# Altium PCB TestMod_SEAx_Baseboard.PcbDoc (part 1 of 2)
Units mil, origin at the board's own origin, x right, y up, seen from the top; angles counter-clockwise.
Board outline 2042.28 x 3149.61 mil, 4 copper layers (Top Layer, GND, Power, Bottom Layer), stack 57.48 mil thick; 38 components, 94 nets, 556 pads, 493 vias.
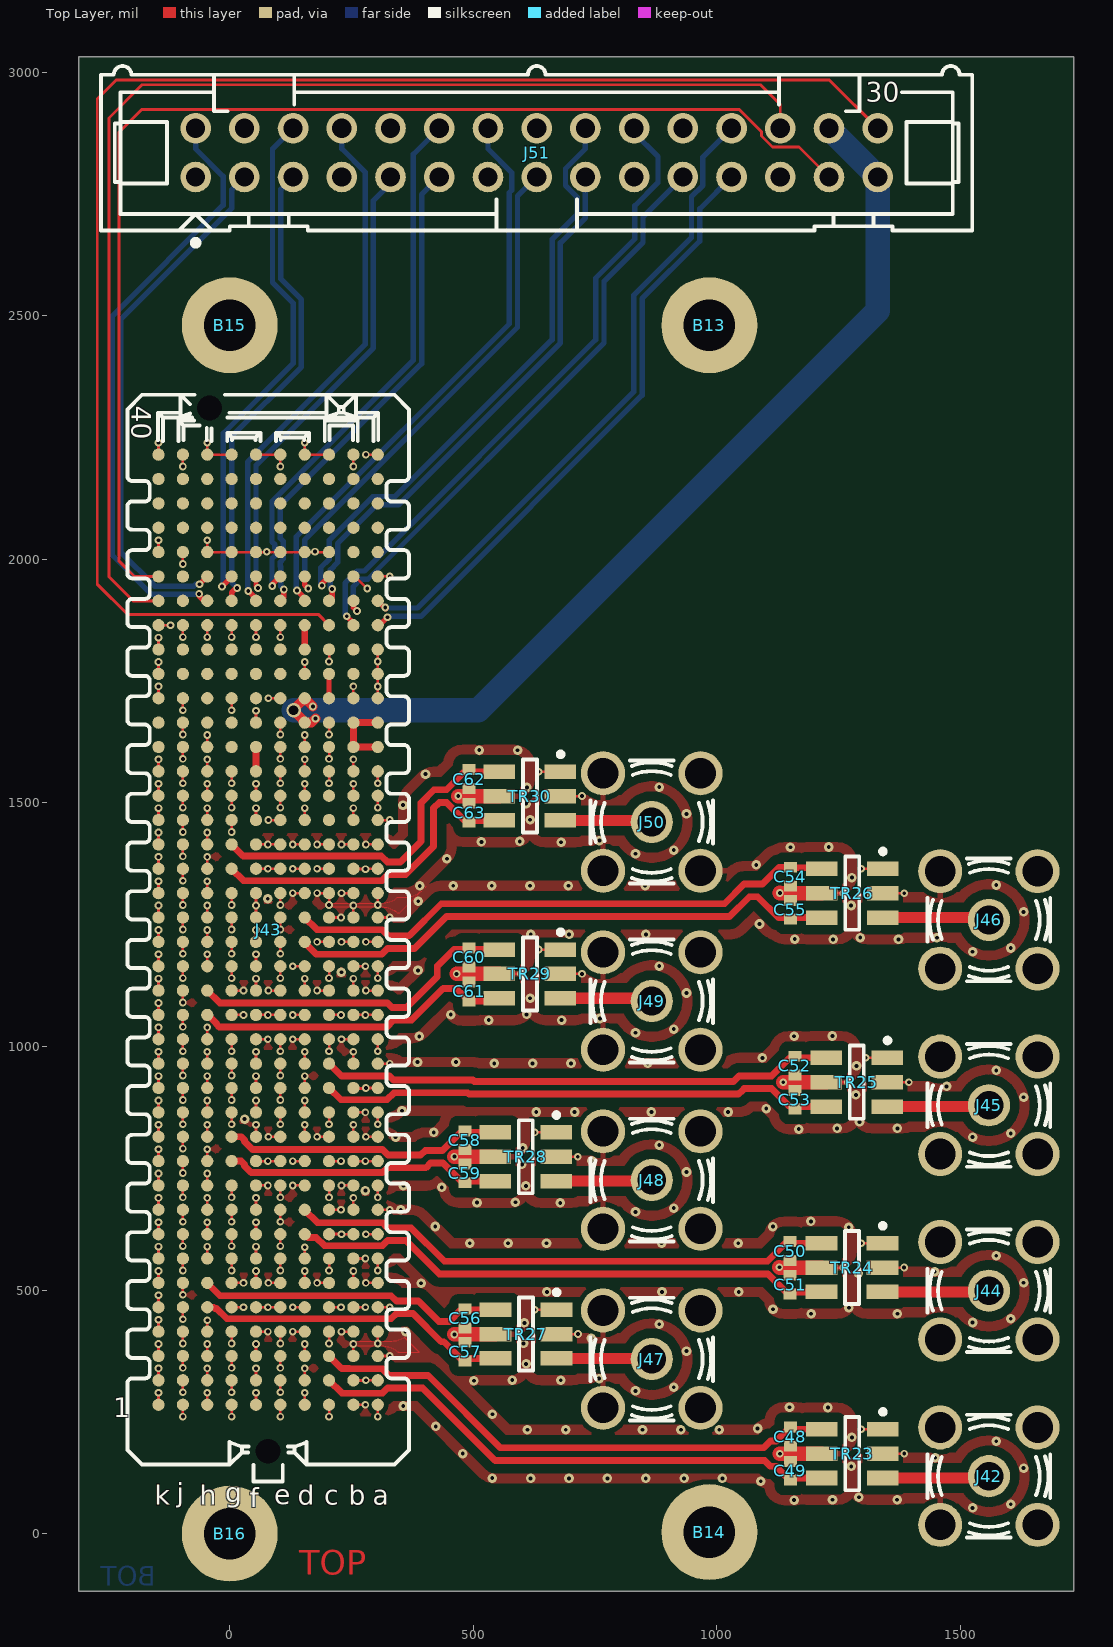
[diagram p0: Top Layer view]
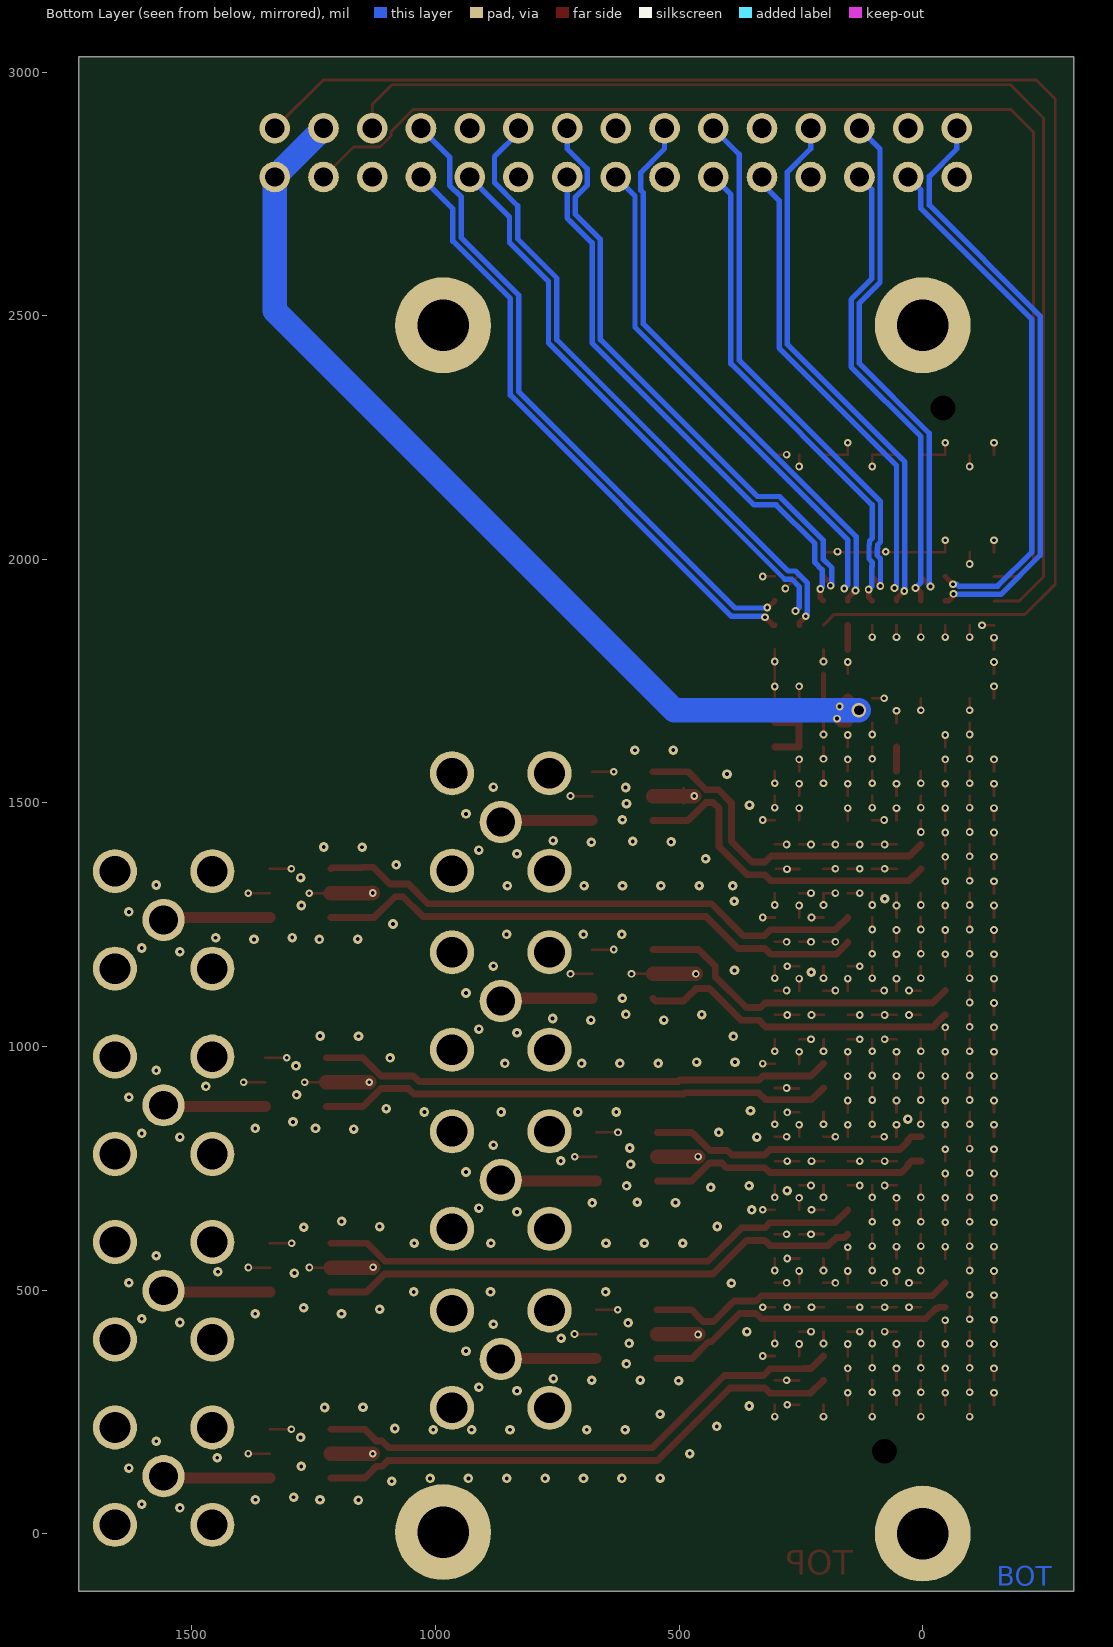
[diagram p1: Bottom Layer view, seen from below]
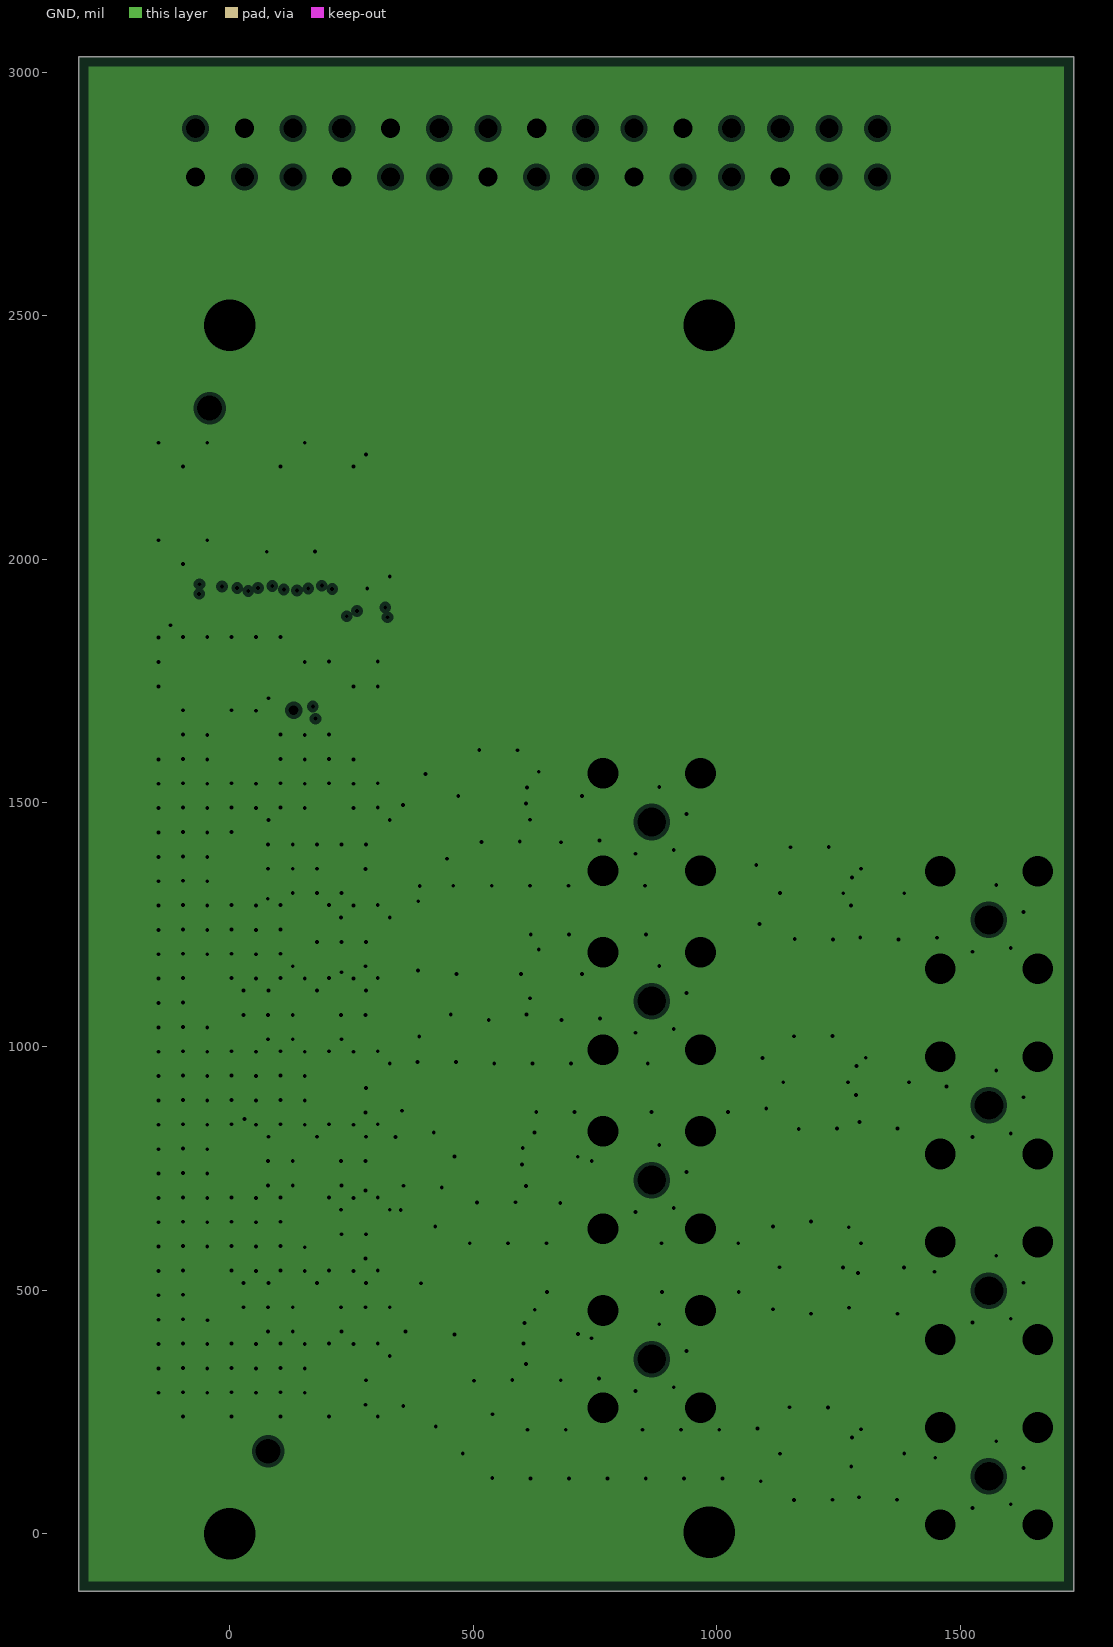
[diagram p2: GND, clearances drawn from the general rule]
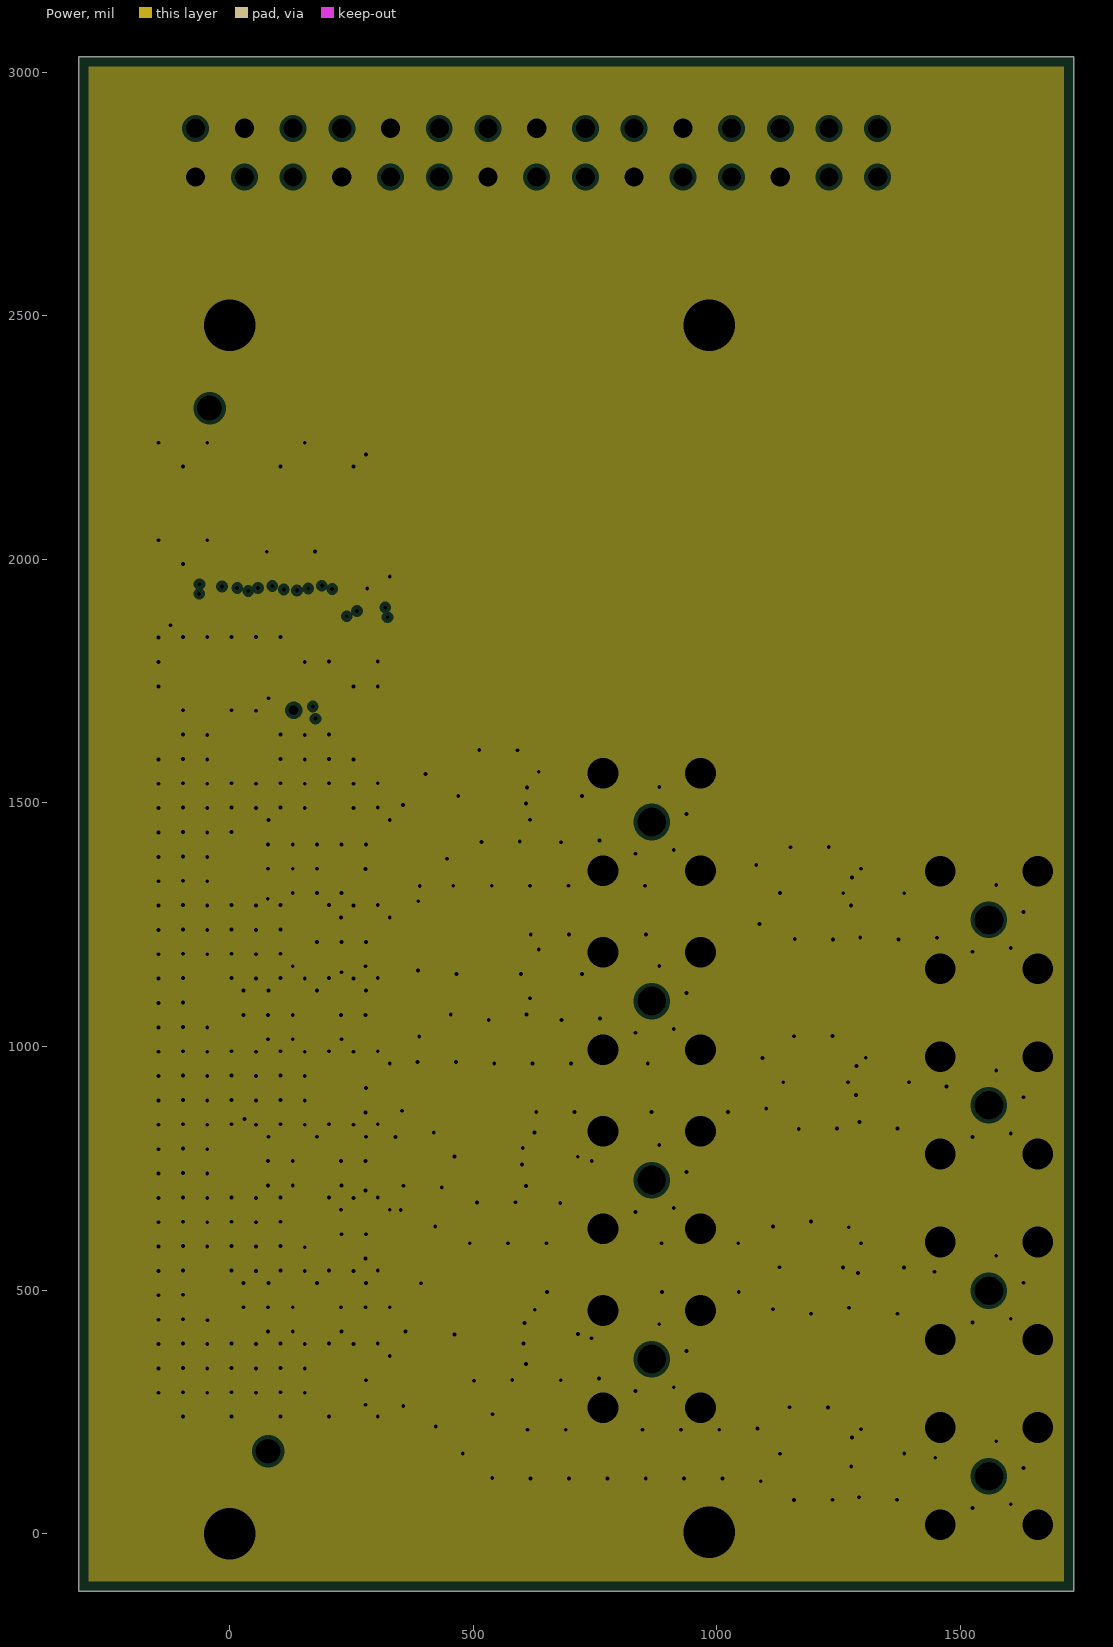
[diagram p3: Power, clearances drawn from the general rule]
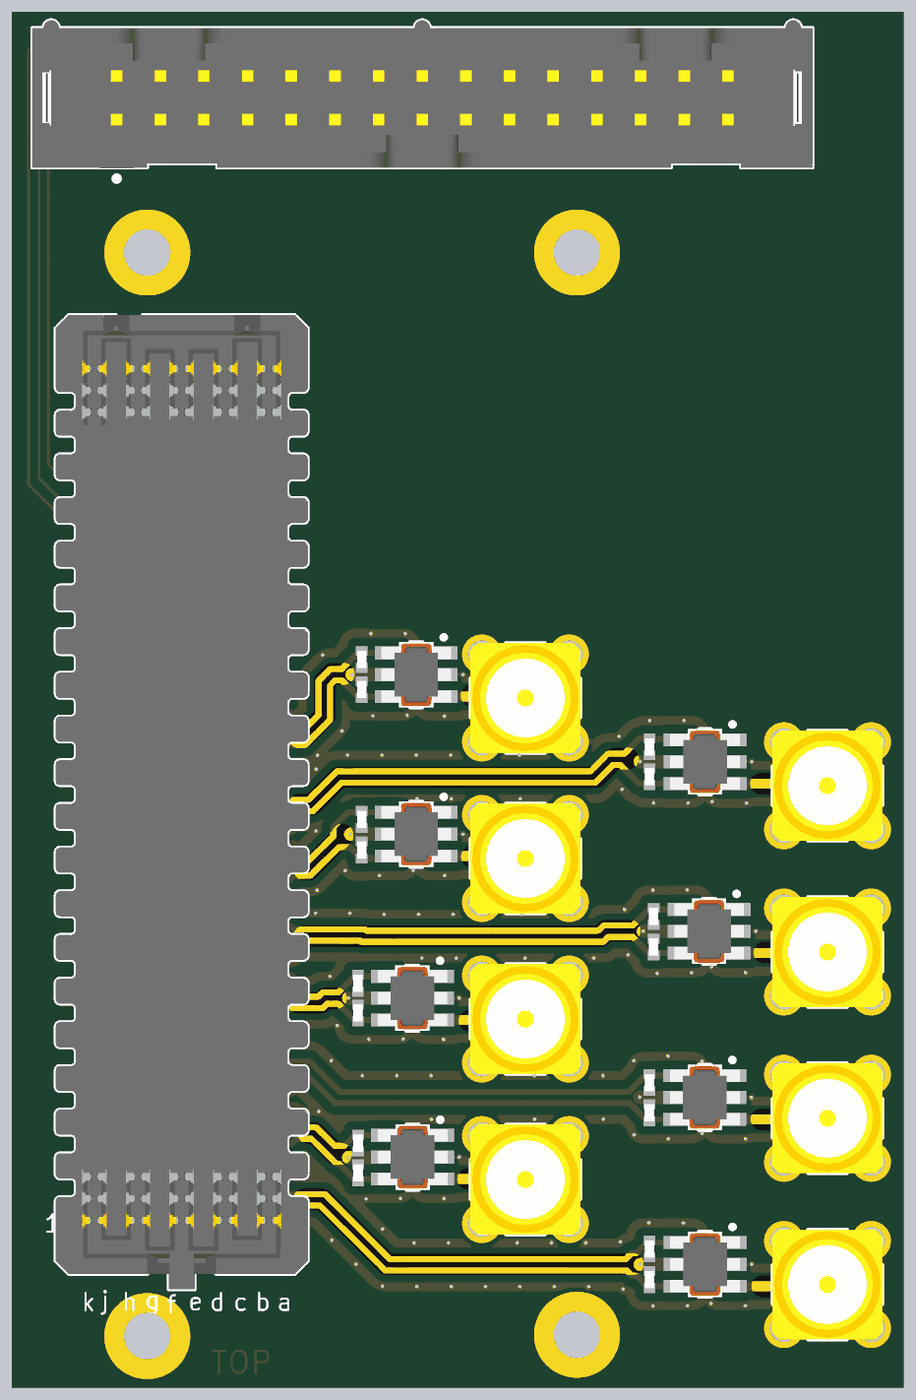
[diagram p5: 3D render of the assembled board from above, using the file's embedded part models]

## Layer stack, top to bottom
Top Solder: solder mask 3, Solder Resist, Dk 3.5
Top Layer: signal copper 1.378
Dielectric1: prepreg 14.1732, FR-4, Dk 4.8
GND: plane copper 1.378, net GND
Dielectric4: core 23.622, FR-4, Dk 4.8
Power: plane copper 1.378, net GND
Dielectric7: prepreg 14.1732, FR-4, Dk 4.2
Bottom Layer: signal copper 1.378
Bottom Solder: solder mask 3, Solder Resist, Dk 3.5

## Board outline
-310,-118.11 1732.28,-118.11 1732.28,3031.5 -310,3031.5

## Design rules (kind name [scope] priority, off if disabled: settings)
Clearance "Clearance_gnd l3" [(InNamedPolygon('gnd L3'))] p1: gap=15 ignorepadtopadclearanceinfootprint=FALSE except(0: Arc-Hole Track-Hole SMDPad-Hole THPad-Hole Via-Hole Fill-Hole Poly-Hole Region-Hole Text-Hole)
Clearance "Clearance_poly gnd" [(InNamedPolygon('Top Layer-No Net') AND InNet('GND'))] p2: gap=10 ignorepadtopadclearanceinfootprint=FALSE except(0: Arc-Hole Track-Hole SMDPad-Hole THPad-Hole Via-Hole Fill-Hole Poly-Hole Region-Hole Text-Hole)
Clearance Clearance_diff_pairs [(InDifferentialPairClass('All Differential Pairs')) vs (InDifferentialPairClass('All Differential Pairs'))] p3 off: gap=5 ignorepadtopadclearanceinfootprint=FALSE except(0: Arc-Hole Track-Hole SMDPad-Hole THPad-Hole Via-Hole Fill-Hole Poly-Hole Region-Hole Text-Hole)
Clearance [All] p4: gap=4 ignorepadtopadclearanceinfootprint=FALSE except(0: Arc-Hole Track-Hole SMDPad-Hole THPad-Hole Via-Hole Fill-Hole Poly-Hole Region-Hole Text-Hole)
ComponentClearance [All] p1: gap=0 collisioncheckmode=3 verticalgap=0 showdistances=FALSE
DiffPairsRouting "Schematic Differential Pairs Routing_32" [InNet('ADC0_IN_N')] p1: maxlimit=12 minlimit=12 mostfreqgap=12 toplayer_minwidth=14 toplayer_maxwidth=14 toplayer_prefwidth=14 bottomlayer_minwidth=14 bottomlayer_maxwidth=14 bottomlayer_prefwidth=14 maxuncoupledlength=500
DiffPairsRouting "Schematic Differential Pairs Routing_31" [InNet('ADC0_IN_P')] p2: maxlimit=12 minlimit=12 mostfreqgap=12 toplayer_minwidth=14 toplayer_maxwidth=14 toplayer_prefwidth=14 bottomlayer_minwidth=14 bottomlayer_maxwidth=14 bottomlayer_prefwidth=14 maxuncoupledlength=500
DiffPairsRouting "Schematic Differential Pairs Routing_30" [InNet('ADC1_IN_N')] p3: maxlimit=12 minlimit=12 mostfreqgap=12 toplayer_minwidth=14 toplayer_maxwidth=14 toplayer_prefwidth=14 bottomlayer_minwidth=14 bottomlayer_maxwidth=14 bottomlayer_prefwidth=14 maxuncoupledlength=500
DiffPairsRouting "Schematic Differential Pairs Routing_29" [InNet('ADC1_IN_P')] p4: maxlimit=12 minlimit=12 mostfreqgap=12 toplayer_minwidth=14 toplayer_maxwidth=14 toplayer_prefwidth=14 bottomlayer_minwidth=14 bottomlayer_maxwidth=14 bottomlayer_prefwidth=14 maxuncoupledlength=500
DiffPairsRouting "Schematic Differential Pairs Routing_28" [InNet('ADC2_IN_N')] p5: maxlimit=12 minlimit=12 mostfreqgap=12 toplayer_minwidth=14 toplayer_maxwidth=14 toplayer_prefwidth=14 bottomlayer_minwidth=14 bottomlayer_maxwidth=14 bottomlayer_prefwidth=14 maxuncoupledlength=500
DiffPairsRouting "Schematic Differential Pairs Routing_27" [InNet('ADC2_IN_P')] p6: maxlimit=12 minlimit=12 mostfreqgap=12 toplayer_minwidth=14 toplayer_maxwidth=14 toplayer_prefwidth=14 bottomlayer_minwidth=14 bottomlayer_maxwidth=14 bottomlayer_prefwidth=14 maxuncoupledlength=500
DiffPairsRouting "Schematic Differential Pairs Routing_26" [InNet('ADC3_IN_N')] p7: maxlimit=12 minlimit=12 mostfreqgap=12 toplayer_minwidth=14 toplayer_maxwidth=14 toplayer_prefwidth=14 bottomlayer_minwidth=14 bottomlayer_maxwidth=14 bottomlayer_prefwidth=14 maxuncoupledlength=500
DiffPairsRouting "Schematic Differential Pairs Routing_25" [InNet('ADC3_IN_P')] p8: maxlimit=12 minlimit=12 mostfreqgap=12 toplayer_minwidth=14 toplayer_maxwidth=14 toplayer_prefwidth=14 bottomlayer_minwidth=14 bottomlayer_maxwidth=14 bottomlayer_prefwidth=14 maxuncoupledlength=500
DiffPairsRouting "Schematic Differential Pairs Routing_24" [InNet('DAC0_OUT_N')] p9: maxlimit=12 minlimit=12 mostfreqgap=12 toplayer_minwidth=14 toplayer_maxwidth=14 toplayer_prefwidth=14 bottomlayer_minwidth=14 bottomlayer_maxwidth=14 bottomlayer_prefwidth=14 maxuncoupledlength=500
DiffPairsRouting "Schematic Differential Pairs Routing_23" [InNet('DAC0_OUT_P')] p10: maxlimit=12 minlimit=12 mostfreqgap=12 toplayer_minwidth=14 toplayer_maxwidth=14 toplayer_prefwidth=14 bottomlayer_minwidth=14 bottomlayer_maxwidth=14 bottomlayer_prefwidth=14 maxuncoupledlength=500
DiffPairsRouting "Schematic Differential Pairs Routing_22" [InNet('DAC1_OUT_N')] p11: maxlimit=12 minlimit=12 mostfreqgap=12 toplayer_minwidth=14 toplayer_maxwidth=14 toplayer_prefwidth=14 bottomlayer_minwidth=14 bottomlayer_maxwidth=14 bottomlayer_prefwidth=14 maxuncoupledlength=500
DiffPairsRouting "Schematic Differential Pairs Routing_21" [InNet('DAC1_OUT_P')] p12: maxlimit=12 minlimit=12 mostfreqgap=12 toplayer_minwidth=14 toplayer_maxwidth=14 toplayer_prefwidth=14 bottomlayer_minwidth=14 bottomlayer_maxwidth=14 bottomlayer_prefwidth=14 maxuncoupledlength=500
DiffPairsRouting "Schematic Differential Pairs Routing_20" [InNet('DAC2_OUT_N')] p13: maxlimit=12 minlimit=12 mostfreqgap=12 toplayer_minwidth=14 toplayer_maxwidth=14 toplayer_prefwidth=14 bottomlayer_minwidth=14 bottomlayer_maxwidth=14 bottomlayer_prefwidth=14 maxuncoupledlength=500
DiffPairsRouting "Schematic Differential Pairs Routing_19" [InNet('DAC2_OUT_P')] p14: maxlimit=12 minlimit=12 mostfreqgap=12 toplayer_minwidth=14 toplayer_maxwidth=14 toplayer_prefwidth=14 bottomlayer_minwidth=14 bottomlayer_maxwidth=14 bottomlayer_prefwidth=14 maxuncoupledlength=500
DiffPairsRouting "Schematic Differential Pairs Routing_18" [InNet('DAC3_OUT_N')] p15: maxlimit=12 minlimit=12 mostfreqgap=12 toplayer_minwidth=14 toplayer_maxwidth=14 toplayer_prefwidth=14 bottomlayer_minwidth=14 bottomlayer_maxwidth=14 bottomlayer_prefwidth=14 maxuncoupledlength=500
DiffPairsRouting "Schematic Differential Pairs Routing_17" [InNet('DAC3_OUT_P')] p16: maxlimit=12 minlimit=12 mostfreqgap=12 toplayer_minwidth=14 toplayer_maxwidth=14 toplayer_prefwidth=14 bottomlayer_minwidth=14 bottomlayer_maxwidth=14 bottomlayer_prefwidth=14 maxuncoupledlength=500
DiffPairsRouting "Schematic Differential Pairs Routing_16" [InNet('GND')] p17: maxlimit=6 minlimit=6 mostfreqgap=6 toplayer_minwidth=11 toplayer_maxwidth=11 toplayer_prefwidth=11 bottomlayer_minwidth=11 bottomlayer_maxwidth=11 bottomlayer_prefwidth=11 maxuncoupledlength=500
DiffPairsRouting "Schematic Differential Pairs Routing_15" [InNet('LVDS0_N')] p18: maxlimit=6 minlimit=6 mostfreqgap=6 toplayer_minwidth=11 toplayer_maxwidth=11 toplayer_prefwidth=11 bottomlayer_minwidth=11 bottomlayer_maxwidth=11 bottomlayer_prefwidth=11 maxuncoupledlength=500
DiffPairsRouting "Schematic Differential Pairs Routing_14" [InNet('LVDS0_P')] p19: maxlimit=6 minlimit=6 mostfreqgap=6 toplayer_minwidth=11 toplayer_maxwidth=11 toplayer_prefwidth=11 bottomlayer_minwidth=11 bottomlayer_maxwidth=11 bottomlayer_prefwidth=11 maxuncoupledlength=500
DiffPairsRouting "Schematic Differential Pairs Routing_13" [InNet('LVDS1_N')] p20: maxlimit=6 minlimit=6 mostfreqgap=6 toplayer_minwidth=11 toplayer_maxwidth=11 toplayer_prefwidth=11 bottomlayer_minwidth=11 bottomlayer_maxwidth=11 bottomlayer_prefwidth=11 maxuncoupledlength=500
DiffPairsRouting "Schematic Differential Pairs Routing_12" [InNet('LVDS1_P')] p21: maxlimit=6 minlimit=6 mostfreqgap=6 toplayer_minwidth=11 toplayer_maxwidth=11 toplayer_prefwidth=11 bottomlayer_minwidth=11 bottomlayer_maxwidth=11 bottomlayer_prefwidth=11 maxuncoupledlength=500
DiffPairsRouting "Schematic Differential Pairs Routing_11" [InNet('LVDS2_N')] p22: maxlimit=6 minlimit=6 mostfreqgap=6 toplayer_minwidth=11 toplayer_maxwidth=11 toplayer_prefwidth=11 bottomlayer_minwidth=11 bottomlayer_maxwidth=11 bottomlayer_prefwidth=11 maxuncoupledlength=500
DiffPairsRouting "Schematic Differential Pairs Routing_10" [InNet('LVDS2_P')] p23: maxlimit=6 minlimit=6 mostfreqgap=6 toplayer_minwidth=11 toplayer_maxwidth=11 toplayer_prefwidth=11 bottomlayer_minwidth=11 bottomlayer_maxwidth=11 bottomlayer_prefwidth=11 maxuncoupledlength=500
DiffPairsRouting "Schematic Differential Pairs Routing_9" [InNet('LVDS3_N')] p24: maxlimit=6 minlimit=6 mostfreqgap=6 toplayer_minwidth=11 toplayer_maxwidth=11 toplayer_prefwidth=11 bottomlayer_minwidth=11 bottomlayer_maxwidth=11 bottomlayer_prefwidth=11 maxuncoupledlength=500